# KiCad board fpga.kicad_pcb (continued)
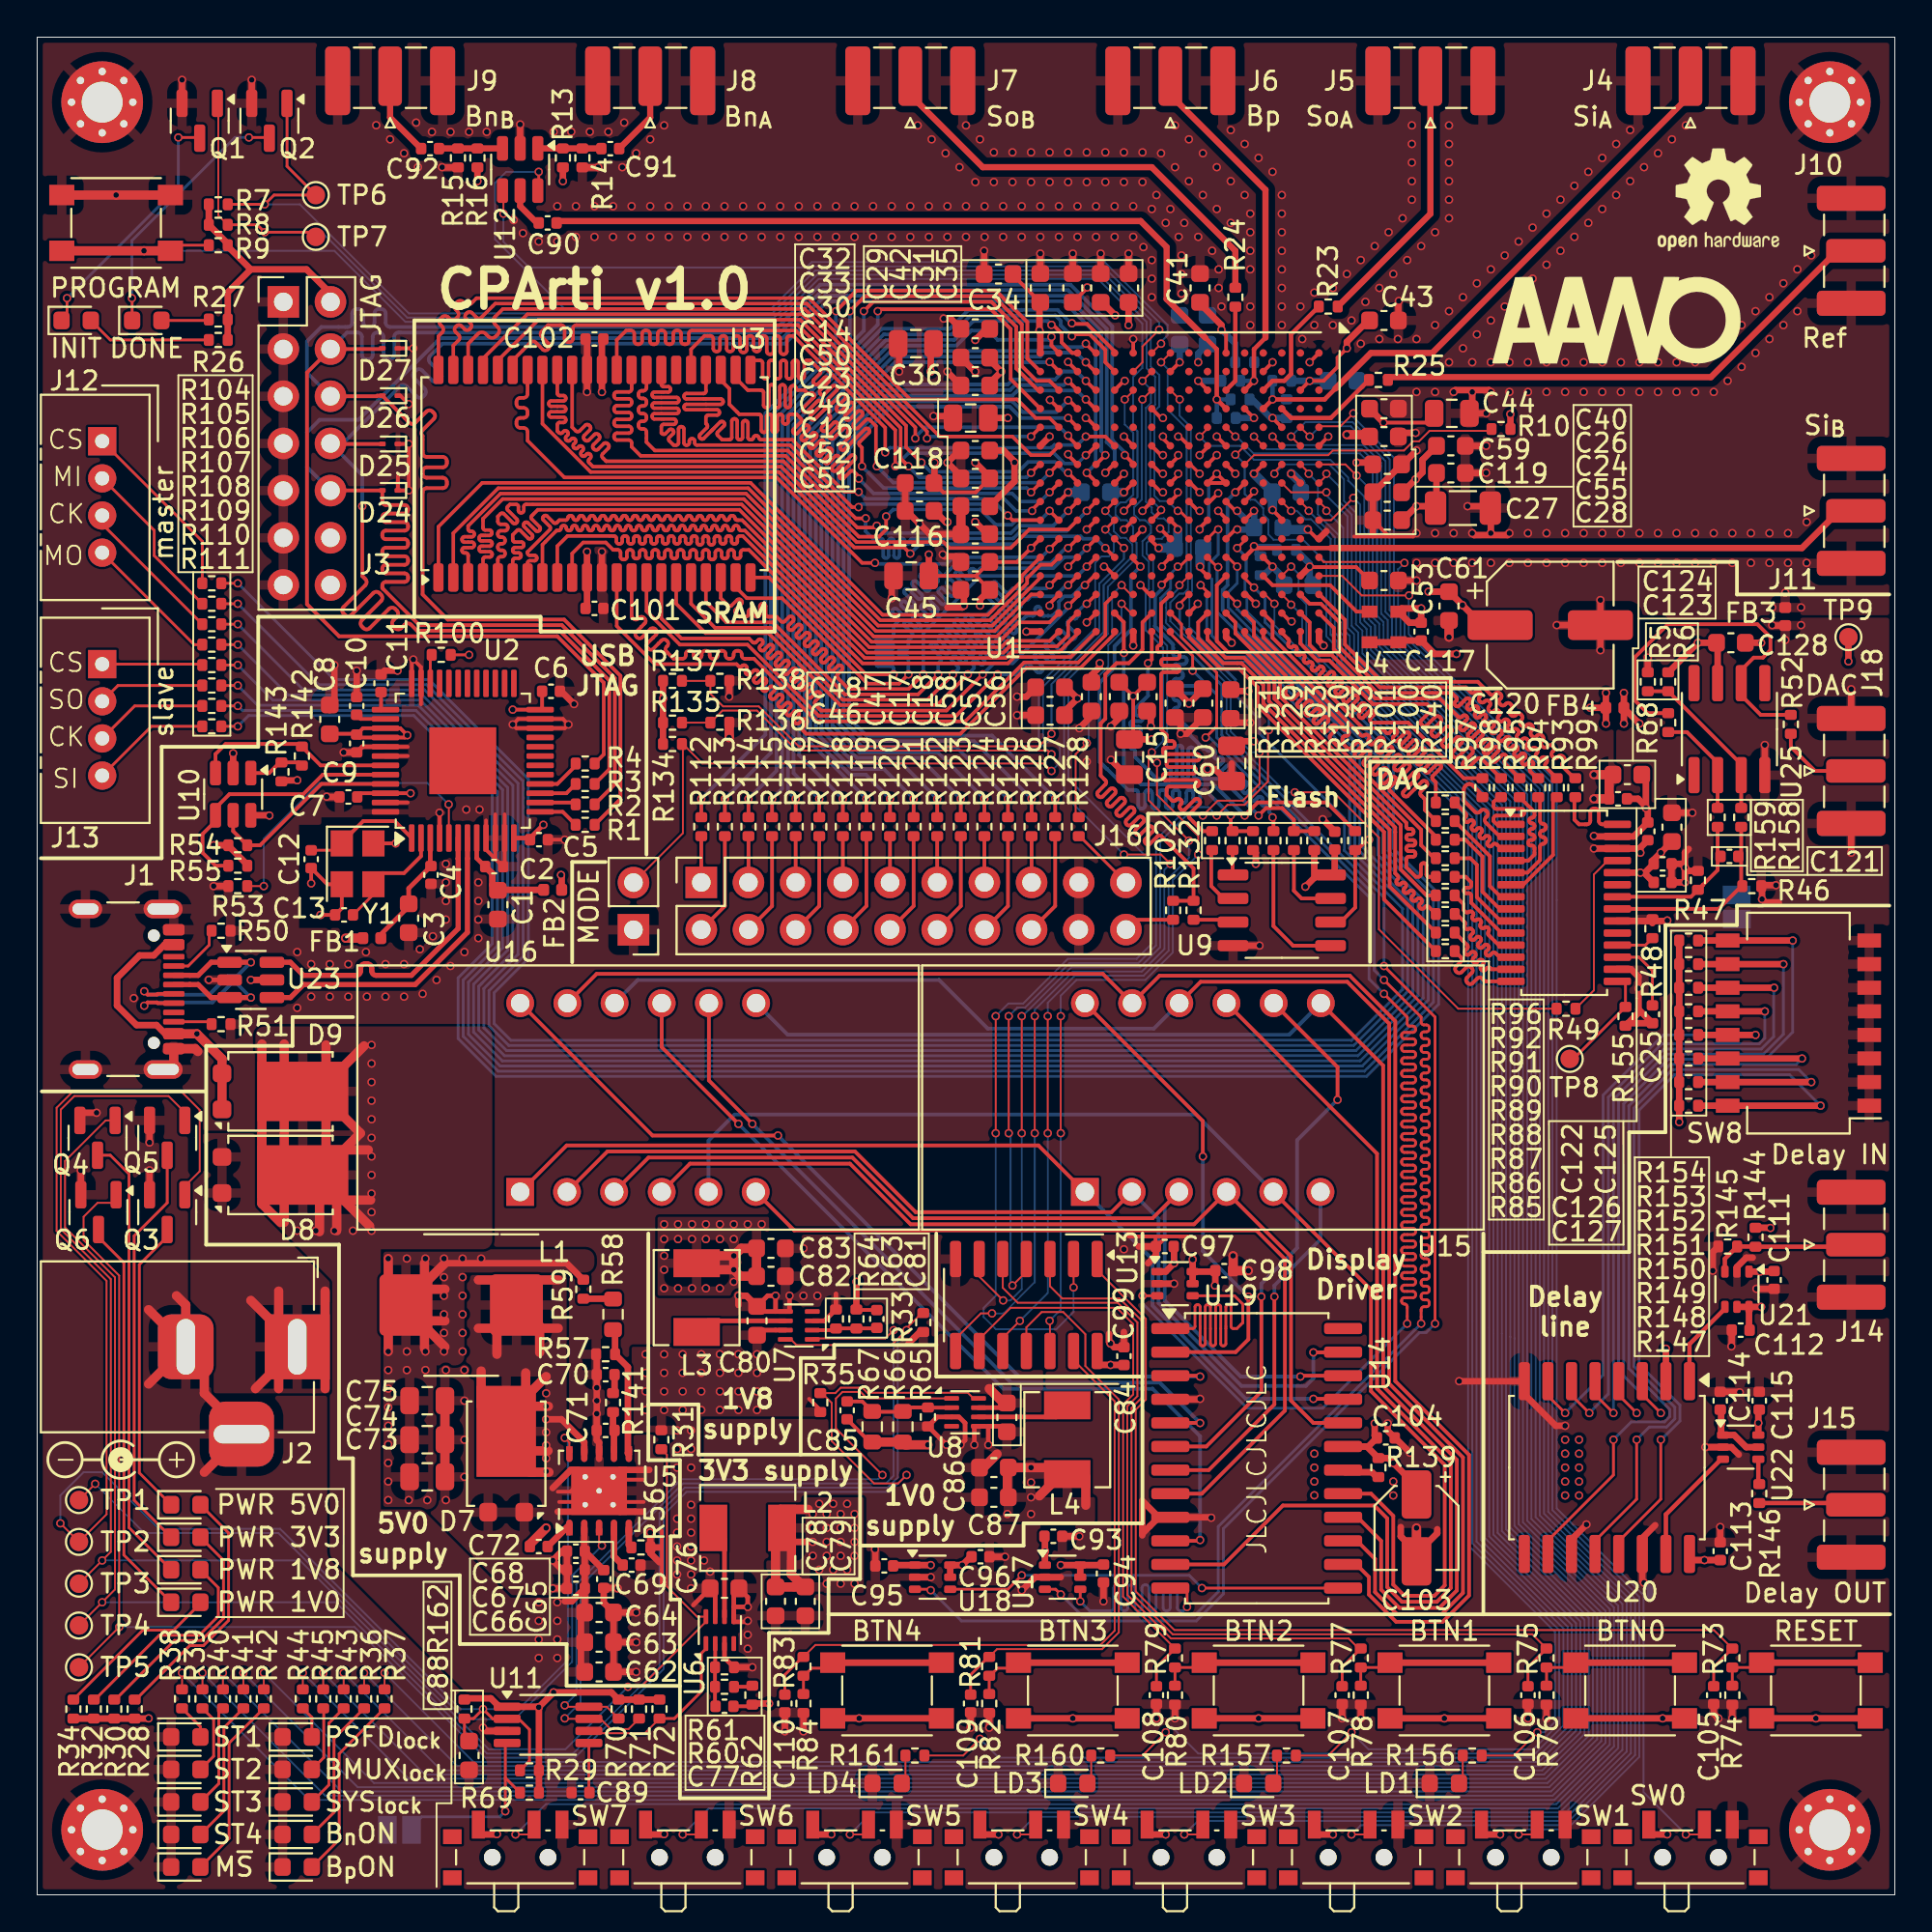
[diagram p0: board, top side]
## Nets (continued)
/FPGA banks 34-35/IO_14_R: J16.15 R126.2
/FPGA banks 34-35/IO_15: R127.1 U1.P5
/FPGA banks 34-35/IO_15_R: J16.16 R127.2
/High frequency/Bn_{A}_C_SMA: C91.2 J8.1
/High frequency/Bn_{A}_SMA: C91.1 R13.2 R14.1 U12.1
/High frequency/Bn_{B}_C_SMA: C92.2 J9.1
/High frequency/Bn_{B}_SMA: C92.1 R15.2 R16.1 U12.3
/High frequency/HF_Bn_C_SMA: C90.2 U12.5
/High frequency/HF_Bn_R_SMA: C90.1 NT1.2
/High frequency/HF_Bp_R_SMA: J6.1 NT2.2
/High frequency/HF_Ref_R_SMA: J10.1 R25.1
/High frequency/HF_Si_A_R_SMA: J4.1 NT3.2
/High frequency/HF_Si_B_R_SMA: J11.1 NT4.2
/High frequency/HF_So_A_R_SMA: J5.1 R23.1
/High frequency/HF_So_B_R_SMA: J7.1 R24.1
/LEDs/7SEG_{CLK}_5V: U14.13 U18.4
/LEDs/7SEG_{DIN}_5V: U14.1 U19.4
/LEDs/7SEG_{LOAD}_5V: U14.12 U17.4
/LEDs/DIG_0: U14.2 U15.12
/LEDs/DIG_1: U14.11 U15.9
/LEDs/DIG_2: U14.6 U15.8
/LEDs/DIG_3: U14.7 U15.6
/LEDs/DIG_4: U14.3 U16.12
/LEDs/DIG_5: U14.10 U16.9
/LEDs/DIG_6: U14.5 U16.8
/LEDs/DIG_7: U14.8 U16.6
/LEDs/SEG_A: U14.14 U15.11 U16.11
/LEDs/SEG_B: U14.16 U15.7 U16.7
/LEDs/SEG_C: U14.20 U15.4 U16.4
/LEDs/SEG_D: U14.23 U15.2 U16.2
/LEDs/SEG_DP: U14.22 U15.3 U16.3
/LEDs/SEG_E: U14.21 U15.1 U16.1
/LEDs/SEG_F: U14.15 U15.10 U16.10
/LEDs/SEG_G: U14.17 U15.5 U16.5
/Power/PG_1V0: Q6.1 R35.2 TP5.1 U8.8
/Power/PG_1V8: Q4.1 R33.2 TP4.1 U7.8
/Power/PG_3V3: Q5.1 R31.2 TP3.1 U6.8
/Power/PG_5V0: C88.2 Q3.1 R29.2 R162.1 TP2.1 U5.10 U11.2
/Power/SW_5V: C72.1 D7.3 L1.1 U5.9
/Programmable delay/DelayIN_50Ohm: J14.1 R144.2 R145.1 U21.3
/Programmable delay/DelayIN_{5V}_50Ohm: U20.1 U21.4
/Programmable delay/DelayOUT_50Ohm: J15.1 R146.1
/Programmable delay/DelayOUT_R_50Ohm: R146.2 U22.4
/Programmable delay/DelayOUT_{5V}_50Ohm: U20.15 U22.3
/Programmable delay/P0: R154.1 SW8.9 U20.3
/Programmable delay/P1: R153.1 SW8.10 U20.4
/Programmable delay/P2: R152.1 SW8.11 U20.5
/Programmable delay/P3: R151.1 SW8.12 U20.6
/Programmable delay/P4: R150.1 SW8.13 U20.7
/Programmable delay/P5: R149.1 SW8.14 U20.10
/Programmable delay/P6: R148.1 SW8.15 U20.12
/Programmable delay/P7: R147.1 SW8.16 U20.13
/USB/EECLK: R55.2 U2.44 U10.4
/USB/EECS: R54.2 U2.45 U10.5
/USB/EEDATA: R142.2 U2.43 U10.3
/USB/JTAG_R_TCK: R1.1 U2.13
/USB/JTAG_R_TDI: R2.1 U2.14
/USB/JTAG_R_TDO: R3.1 U2.15
/USB/JTAG_R_TMS: R4.1 U2.16
/USB/USB_D+: J1.A6 J1.B6 U23.3
/USB/USB_D-: J1.A7 J1.B7 U23.1
/USB/USB_D_N: U2.6 U23.6
/USB/USB_D_P: U2.7 U23.4
B_{n}ON: R36.1 U1.B9
B_{p}ON: R37.1 U1.C9
BMUX_{lock}: R45.1 U1.A9
BTN0: U1.J3 U13.4
BTN1: U1.J1 U13.6
BTN2: U1.L3 U13.8
BTN3: U1.K3 U13.10
BTN4: U1.K2 U13.12
BTN_RST: U1.L14 U13.2
DAC_CLK: R99.1 U1.A14
DAC_D0: R85.1 U1.H16
DAC_D1: R86.1 U1.G15
DAC_D2: R87.1 U1.G16
DAC_D3: R88.1 U1.F13
DAC_D4: R89.1 U1.F15
DAC_D5: R90.1 U1.E16
DAC_D6: R91.1 U1.E15
DAC_D7: R92.1 U1.D16
DAC_D8: R93.1 U1.B14
DAC_D9: R94.1 U1.A15
DAC_D10: R95.1 U1.B15
DAC_D11: R96.1 U1.D15
DAC_D12: R97.1 U1.C16
DAC_D13: R98.1 U1.B16
DAC_MODE: R49.1 U1.H13
FPGA_CFG_CS: R103.1 R129.1 U1.L12
FPGA_CFG_D0: R130.1 U1.J13
FPGA_CFG_D1: R131.1 U1.J14
FPGA_CFG_D2: R102.1 R132.1 U1.K15
FPGA_CFG_D3: R101.1 R133.1 U1.K16
FPGA_CFG_SCK: R140.1 U1.E8 U9.6
GCLK_24MHz: U1.D13 U4.3
HF_Bn_50Ohm: NT1.1 R11.2 R12.1 U1.F4
HF_Bn_ctrl_V1: U1.K1 U12.4
HF_Bn_ctrl_V2: U1.L2 U12.6
HF_Bp_50Ohm: NT2.1 R17.2 R18.1 U1.E3
HF_Ref_50Ohm: R25.2 U1.C4
HF_Si_A_50Ohm: NT3.1 R19.2 R20.1 U1.D4
HF_Si_B_50Ohm: NT4.1 R21.2 R22.1 U1.E12
HF_So_A_50Ohm: R23.2 U1.D3
HF_So_B_50Ohm: R24.2 U1.F3
JTAG_TCK: D26.2 J3.6 R1.2 U1.L7
JTAG_TDI: D24.2 J3.10 R2.2 U1.N7
JTAG_TDO: D25.2 J3.8 R3.2 U1.N8
JTAG_TMS: D27.2 J3.4 R4.2 U1.M7
LED1: R156.1 U1.D14
LED2: R157.1 U1.C14
LED3: R160.1 U1.C13
LED4: R161.1 U1.E6
M~{S}: R42.1 U1.A8
PSFD_{lock}: R44.1 U1.C8
SPIm_MISO: R105.1 U1.G14
SPIm_MOSI: R107.1 U1.G12
SPIm_SCK: R106.1 U1.G11
SPIm_~{CS}: R104.1 U1.H14
SPIs_MISO: R109.1 U1.F14
SPIs_MOSI: R111.1 U1.E13
SPIs_SCK: R110.1 U1.E11
SPIs_~{CS}: R108.1 U1.F12
SRAM_A0: U1.T12 U3.1
SRAM_A1: U1.R12 U3.2
SRAM_A2: U1.T13 U3.3
SRAM_A3: U1.T14 U3.4
SRAM_A4: U1.T15 U3.5
SRAM_A5: U1.P13 U3.18
SRAM_A6: U1.R13 U3.19
SRAM_A7: U1.N12 U3.20
SRAM_A8: U1.N11 U3.21
SRAM_A9: U1.P11 U3.22
SRAM_A10: U1.R7 U3.23
SRAM_A11: U1.T8 U3.24
SRAM_A12: U1.R8 U3.25
SRAM_A13: U1.T9 U3.26
SRAM_A14: U1.M6 U3.27
SRAM_A15: U1.T5 U3.42
SRAM_A16: U1.R6 U3.43
SRAM_A17: U1.R5 U3.44
SRAM_CE: U1.R15 U3.6
SRAM_D0: U1.R16 U3.7
SRAM_D1: U1.P15 U3.8
SRAM_D2: U1.P16 U3.9
SRAM_D3: U1.N16 U3.10
SRAM_D4: U1.M16 U3.13
SRAM_D5: U1.M14 U3.14
SRAM_D6: U1.N14 U3.15
SRAM_D7: U1.P14 U3.16
SRAM_D8: U1.T10 U3.29
SRAM_D9: U1.N9 U3.30
SRAM_D10: U1.P9 U3.31
SRAM_D11: U1.N6 U3.32
SRAM_D12: U1.R10 U3.35
SRAM_D13: U1.P10 U3.36
SRAM_D14: U1.M12 U3.37
SRAM_D15: U1.R11 U3.38
SRAM_LB: U1.T7 U3.39
SRAM_OE: U1.P6 U3.41
SRAM_UB: U1.P8 U3.40
SRAM_WE: U1.N13 U3.17
Stage1: R38.1 U1.A7
Stage2: R39.1 U1.G5
Stage3: R40.1 U1.A10
Stage4: R41.1 U1.C7
SW0: SW0.2 U1.A13
SW1: SW1.2 U1.A12
SW2: SW2.2 U1.A5
SW3: SW3.2 U1.B6
SW4: SW4.2 U1.B5
SW5: SW5.2 U1.C6
SW6: SW6.2 U1.D6
SW7: SW7.2 U1.F5
SYS_{lock}: R43.1 U1.B7
VDC: D8.1 D8.2 J2.1
Net-(BTN0-Pad2): BTN0.2 R75.1 R76.1
Net-(BTN1-Pad2): BTN1.2 R77.1 R78.1
Net-(BTN2-Pad2): BTN2.2 R79.1 R80.1
Net-(BTN3-Pad2): BTN3.2 R81.1 R82.1
Net-(BTN4-Pad2): BTN4.2 R83.1 R84.1
Net-(BTN6-Pad2): BTN6.2 R73.1 R74.1
Net-(C70-Pad2): C70.2 R141.2
Net-(C105-Pad2): C105.2 R73.2 U13.1
Net-(C106-Pad2): C106.2 R75.2 U13.3
Net-(C107-Pad2): C107.2 R77.2 U13.5
Net-(C108-Pad2): C108.2 R79.2 U13.9
Net-(C109-Pad2): C109.2 R81.2 U13.11
Net-(C110-Pad2): C110.2 R83.2 U13.13
Net-(D1-A): D1.2 R26.1
Net-(D1-K): D1.1 Q1.3
Net-(D2-A): D2.2 R27.1
Net-(D2-K): D2.1 Q2.3
Net-(D3-A): D3.2 R28.1
Net-(D3-K): D3.1 Q3.3
Net-(D4-A): D4.2 R30.1
Net-(D4-K): D4.1 Q5.3
Net-(D5-A): D5.2 R32.1
Net-(D5-K): D5.1 Q4.3
Net-(D6-A): D6.2 R34.1
Net-(D6-K): D6.1 Q6.3
Net-(D10-A): D10.2 R36.2
Net-(D11-A): D11.2 R37.2
Net-(D12-A): D12.2 R38.2
Net-(D13-A): D13.2 R39.2
Net-(D14-A): D14.2 R40.2
Net-(D15-A): D15.2 R41.2
Net-(D16-A): D16.2 R42.2
Net-(D17-A): D17.2 R43.2
Net-(D18-A): D18.2 R44.2
Net-(D19-A): D19.2 R45.2
Net-(D20-A): D20.2 R156.2
Net-(D21-A): D21.2 R157.2
Net-(D22-A): D22.2 R160.2
Net-(D23-A): D23.2 R161.2
Net-(J1-CC1): J1.A5 R50.1
Net-(J1-CC2): J1.B5 R51.1
Net-(JP2-B): JP2.2 R69.1 U11.4
Net-(R58-Pad1): R58.1 R59.1
Net-(R61-Pad2): R61.2 R62.1
Net-(U1A-IO_L3P_T0_DQS_PUDC_B_14): R128.2 U1.L15
Net-(U2-REF): R53.2 U2.5
Net-(U2-VCCA): C11.2 U2.37
Net-(U2-VCCCORE): C10.2 U2.38
Net-(U2-VPHY): C3.2 C4.2 FB1.2 U2.3
Net-(U2-VPLL): C1.2 C2.2 FB2.2 U2.8
Net-(U2-XCSI): C12.2 U2.1 Y1.1
Net-(U2-XCSO): C13.2 U2.2 Y1.3
Net-(U2-~{RESET}): R100.1 U2.34
Net-(U5-BOOT): C72.2 U5.1
Net-(U5-COMP): C71.2 R141.1 U5.7
Net-(U5-EN): TP1.1 U5.3
Net-(U5-FB): R57.1 R58.2 U5.6
Net-(U5-RT/CLK): R56.1 U5.5
Net-(U5-SS/TR): C69.2 U5.4
Net-(U6-FB): C77.1 R60.2 R61.1 U6.2
Net-(U6-SW): L2.1 U6.6
Net-(U7-FB): C81.1 R63.1 R64.2 U7.2
Net-(U7-SW): L3.1 U7.6
Net-(U8-FB): C85.1 R65.2 R66.1 R67.1 U8.2
Net-(U8-SW): L4.1 U8.6
Net-(U9-SI/SIO0): R130.2 U9.5
Net-(U9-SO/SIO1): R131.2 U9.2
Net-(U9-~{CS}): R129.2 U9.1
Net-(U9-~{HOLD}/SIO3): R133.2 U9.7
Net-(U9-~{WP}/SIO2): R132.2 U9.3
Net-(U10-DO): R142.1 R143.2 U10.1
Net-(U11-TADJ): C89.2 U11.5
Net-(U14-ISET): R139.2 U14.18
Net-(U24-FS_ADJ): R48.2 U24.18
Net-(U24-REFIO): C25.1 U24.17

Pads without a net: J1 A8 B8; J3 12 14; U1 A2 A3 A4 B1 B2 B4 B10 B11 B12 C1 C2 C3 C11 C12 D1 D5 D8 D9 D10 D11 E1 E2 E5 F2 G1 G2 G4 H1 H2 H3 H4 H5 H11 J4 J5 K5 K12 K13 L4 L5 L13 M4 M5; U2 17 18 19 20 21 25 26 27 28 29 30 31 32 33 49; U3 28; U6 4; U7 4; U8 4; U14 24; U20 9; U24 19 23; U25 1 5 8

## Via types
v1: diameter 0.45, hole 0.3, Top to Bottom, 1149 vias

## Routing (per net, layer and track width the routed paths; a pad name or vN(x,y) marks a point on that pad's centre or on a via; arc(x,y) is an arc through that point)
+1V0: length 90.9
  Top w0.2: U1.L8 v1(58.5,75.5) ; U1.K9 v1(59.5,74.5) ; R67.2 44.82,24.38 C85.2 ; v1(60.6,78.5) 60.6,78.4 U1.J6 ; v1(64.6,73.5) 64.5,73.5 U1.F11 ; v1(62.57,74.5) 62.5,74.5 U1.H9 ; 46.85,24.22 46.5,24.58 ; U1.G6 63,77.92 v1(62.57,77.5) ; 51.28,76.27 C23.2 50.53,75.5 48.78,75.5 C118.2 48.18,75.9 ; U1.E10 v1(65.5,74.5) ; v1(64.6,74.5) 64.5,74.5 U1.F9 ; U1.F7 v1(64.5,76.5)
  Top w0.35: C120.1 77.8,68.35 v1(76.72,69.42) C61.2 v1(74.9,70.15) ; C28.2 73.5,74 v1(74.25,74.75) 75.27,74.75 ; v1(71.03,77.1) 71.8,77.1 C24.2 ; v1(50.5,77.1) 51.28,76.33 C23.2 ; 75.18,74.2 75,74.38 75,74.75 75.25,74.75 ; C119.2 75.32,74.7 C27.2 ; C118.2 48.3,76.03 v1(48.3,77.1)
  Top w0.5: 55.45,22.62 55.1,22.62 53.95,21.47 ; 55.45,22.62 56.3,22.62 56.45,22.47 56.45,20.97 ; 55.45,22.62 55.1,22.98 54.45,22.97 ; R67.2 R66.2 46.75,24.22 v1(47.95,24.22) ; C86.2 v1(53.5,23) 55.1,23 L4.2 ; 52.22,21.38 52.22,22.97 ; 79.15,68.4 78.3,68.4
  In2(VCC).Cu w0.15: v1(65.5,74.5) 66,74 70.6,74 70.83,73.77 73.27,73.77 v1(74.25,74.75)
  In2(VCC).Cu w0.2: v1(60.6,78.5) 60.65,78.5 61.1,78.95 61.1,79.71 61,79.82 ; v1(62.5,82.5) 61,81 61,79.82 ; 61,79.82 62,78.81 62,78.08 v1(62.57,77.5) ; v1(71.03,77.1) 70.93,77 66.39,77 66,76.62 66,75.34 65.67,75.01 65.11,75.01 v1(64.6,74.5) v1(64.6,73.5) 64.55,73.55 ; v1(50.5,77.1) 51.57,76.03 57.97,76.03 v1(58.5,75.5) v1(59.5,74.5)
  In2(VCC).Cu w0.35: v1(76.72,69.42) 76.7,69.4 76.2,69.4
  In2(VCC).Cu w0.5: v1(53.5,20.5) v1(53.5,23) 49.18,23 v1(47.95,24.22)
  Bottom w0.15: C21.2 65.5,73.7
  Bottom w0.35: C20.2 62.5,82.97 v1(62.5,82.5) ; 65.4,73.6 65.5,73.7 v1(65.5,74.5) ; 65.4,73.6 65.3,73.5 ; 65.4,73.6 65.4,73.7 v1(64.6,74.5) ; v1(64.6,73.5) 65.4,73.5 C21.2
  Bottom w0.5: C22.2 v1(58.5,75.5)
  vias: v1(52.22,20.5) v1(53.5,22.2) v1(53.5,21.4)
+1V8: length 71.8
  Top w0.2: U1.F8 v1(63.5,76.5) U1.G8 ; U1.F8 64,76 ; U1.F8 U1.G8 ; 59.82,65.28 C18.2 ; C18.2 59.9,65.42 ; C18.2 v1(59,64.53) ; 45.2,31.48 44.13,31.48 44.1,31.51 ; 50.4,74 v1(50.5,73.9) ; U1.G8 63,76 ; U1.J10 61.4,73.6 v1(61.4,73.5) ; v1(60.38,72.5) 60,72.88 U1.K11 ; U1.G10 62.57,73.58 v1(62.57,73.5) ; U1.L10 v1(58.5,73.5) ; v1(59,64.53) C17.2 ; v1(59,64.53) 59,62
  Top w0.25: U1.F8 63.97,75.97 ; 63.03,75.97 U1.G8
  Top w0.35: C18.2 59.75,65.25 ; 59.82,65.2 60,65.38 ; C116.2 48.3,74.5 48.9,73.9 v1(49,73.9) ; C15.2 v1(60,62.2) ; v1(50.5,73.9) 51.15,73.25 C16.2 51.53,73 ; 58.8,62 59,62.2 ; R63.2 44.1,32.9
  Top w0.5: v1(37.5,34.4) 37.9,34.8 38.73,34.8 38.73,33.3 37.85,33.3 v1(37.5,33.65) ; v1(37.5,34.4) v1(37.5,33.65) ; v1(37.5,34.4) 35.9,34.4 L3.2 35.85,33.65 v1(37.5,33.65) ; v1(70.5,78.6) 71.62,78.6 C26.1
  In2(VCC).Cu w0.17: v1(58.5,73.5) 58.01,73.01 51.39,73.01 v1(50.5,73.9)
  In2(VCC).Cu w0.2: v1(61.4,73.5) 61.45,73.45 61.5,73.45 ; v1(59,64.53) 59,66.24 59.5,66.75 59.5,68.7 58.88,69.32 58.88,71.7 59.68,72.5 v1(60.38,72.5) ; v1(70.5,78.6) 69.8,77.9 66.05,77.9 65.15,77 64,77 v1(63.5,76.5)
  In2(VCC).Cu w0.5: v1(36.75,32.65) 37.1,33 v1(37.5,33) v1(44.1,33) ; v1(36.75,32.65) 36.88,32.78 ; v1(36.75,32.65) 37.5,33.4 v1(37.5,34.4) ; v1(36.75,32.65) v1(33.75,32.65)
  Bottom w0.17: v1(63.5,76.5) 63.06,76.06 63.06,73.99 v1(62.57,73.5)
  Bottom w0.5: C19.2 v1(60.38,72.5) ; C19.2 61.4,72.67 v1(61.4,73.5) ; C19.2 61.3,72.5 61.4,72.6
  vias: v1(33.75,36.1) v1(33.75,35.3) v1(33.75,34.4) v1(33.75,33.65) v1(34.5,36.1) v1(34.5,35.3) v1(34.5,32.65) v1(35.25,36.1) v1(35.25,35.3) v1(35.25,32.65) v1(36,36.1) v1(36,35.3) v1(36,32.65) v1(36.75,36.1) v1(36.75,35.3) v1(37.5,36.1) v1(37.5,35.3) v1(38.25,36.1) v1(39,36.1)
+3.3VA: length 14.7
  Top w0.35: v1(85.41,64.7) 85.41,64.7 FB4.2 ; U25.7 90.46,67.33 90.53,67.4 v1(89.4,67.4) 87.81,65.81 R6.1 ; v1(86.3,55.03) 86.32,55 ; v1(86.3,55.03) 86.54,55.03 C126.1 87.02,55.72 v1(87.4,56.1) C125.2 88.2,56.7 ; v1(86.3,55.03) 86.5,55.03 C127.1 ; v1(86.3,55.03) U24.24 ; v1(86.25,63.05) 85.41,63.89 FB4.2 ; FB4.2 v1(85.41,63.05) ; TP9.1 v1(97.5,66.4)
+3V3: length 345.4
  Top w0.15: R128.1 56.12,56.99 J16.19 ; R100.2 v1(23.25,66.75)
  Top w0.2: U1.R4 54.99,80 v1(54.52,80.47) ; C42.2 56.5,86.47 ; 51.5,82.75 C33.2 51.28,82.72 ; U1.D7 v1(65.5,76.5) ; v1(63.75,84.25) 64,84 U1.F1 ; C7.2 17.43,59.3 U2.46 v1(20.1,59.3) ; v1(72.47,79.25) 75.15,79.25 75.2,79.3 ; C6.2 27.18,63.91 U2.24 v1(25.6,63.8) ; R62.2 38.41,10.15 C77.2 ; U1.M3 58.5,81.5 v1(58.54,81.5) ; U1.J2 v1(61.5,82.5) ; v1(62.47,69.5) 62.47,69.48 U1.H15 ; C9.2 17.16,62.5 C8.2 ; C9.2 17.36,62.3 U2.40 19.8,62.3 v1(19.92,62.42) 19.55,62.8 U2.39 17.54,62.8 C9.2 ; U1.E14 65.1,70 v1(65.6,69.5) ; v1(68.5,71.5) 68.53,71.47 71,71.47 C53.2 ; J16.20 59.14,52.49 R102.2 ; U1.M13 57.5,71.5 v1(57.43,71.5) ; U1.J12 60.55,71.55 v1(60.55,71.5) ; v1(69.5,78.5) U1.A6 ; U1.L6 v1(58.5,78.5) 58.4,78.5 ; 50.53,71 C51.2 ; 50.53,71 C45.2 48,71.2 ; 50.53,71 C52.2 52.75,71.75 v1(53.5,72.5) U1.T11 ; C29.2 52.53,87.2 C34.2 ; U1.C10 67,74.05 v1(66.5,74.55) ; U1.P7 55.5,77.5 ; 70.51,83.26 v1(70.5,83.25) 70,82.75 70,82.25 69.25,81.5 v1(68.5,81.5) U1.B3 ; v1(54.5,69.4) 54.5,69.5 U1.R14 ; U1.E4 v1(65.5,79.5) ; 70.25,55 70.23,55.02 ; U1.N10 v1(56.5,73.5) ; 62.5,65.15 62.75,64.9
  Top w0.25: v1(27.25,57.6) 26.53,56.88 C5.2 26.44,56.89 U2.12
  Top w0.35: v1(65.2,64.8) 64.32,64.8 C56.2 ; C49.2 52.61,76.09 v1(52.61,77.11) 52.61,77.16 52.02,77.75 C50.2 ; U13.14 57.06,28.54 ; 57.06,28.54 57.07,28.53 v1(57.78,28.53) 58.5,28.53 C99.2 ; 57.06,28.54 57.1,28.5 ; v1(62,64.12) 62.75,64.88 62.75,64.9 ; U22.6 v1(92.65,25.4) 92.65,26.07 C115.2 ; v1(69.25,67.25) 69,67.5 U1.A16 ; v1(9.5,56.5) R54.1 10.29,56.48 11.31,55.46 R55.1 ; SW6.1 32.75,3.25 33.73,3.25 v1(33.75,3.27) ; U10.6 12.49,58.11 v1(12.5,58.1) ; 11.5,87.5 10.26,86.26 R27.2 R26.2 ; 11.5,87.5 14.5,87.5 15.79,86.21 J3.2 ; 11.5,87.5 10.26,88.74 R9.2 10.26,88.88 R8.2 R7.2 ; C47.2 56.75,65.65 57.2,66.1 v1(57.2,66.3) ; R103.2 65.6,56.09 v1(65.6,55.5) ; R62.2 38.56,10.3 v1(39.4,10.3) ; v1(28.2,54.9) 28.24,54.86 FB2.1 ; BTN3.1 v1(55.75,9.5) BTN3.1 ; R137.1 33.69,64.41 v1(33.7,64.4) 33.69,64.39 R135.1 R134.2 ; v1(93.3,35.9) 93.29,35.91 R144.1 ; C95.2 46.12,17.75 U18.1 v1(48.1,17.75) ; C30.2 51.28,81.38 v1(51.9,82) 51.28,82.62 C33.2 51.25,82.75 ; v1(63.75,84.25) 63.75,84.5 62.6,85.65 C41.2 ; 68.75,54.75 68.9,54.91 U9.8 ; 68.75,54.75 R101.2 ; 68.75,54.75 v1(68.27,54.27) ; FB4.1 84.44,64.69 v1(84.45,64.7) ; FB4.1 84.44,63.11 84.45,63.1 ; FB4.1 v1(83.6,63.9) ; v1(69.75,3.25) 68.75,3.25 SW2.1 ; U21.1 v1(92.75,33.55) 93.47,33.55 C111.2 ; C97.2 61.2,34.88 v1(61.2,34) 60.75,33.55 U19.1 ; v1(24.75,3.27) 24.73,3.25 23.75,3.25 SW7.1 ; v1(42.75,3.26) 42.74,3.25 41.75,3.25 SW5.1 ; R34.2 R32.2 R30.2 R28.2 5.99,9.49 v1(6,9.5) ; v1(65.5,62.1) 64.55,62.1 C60.2 63.75,61.85 ; C36.2 48.1,83.35 v1(48.1,82) ; C55.2 73.5,75.5 v1(74.2,76.2) 74.57,76.57 74.57,77.25 C59.2 ; BTN4.1 v1(44.25,9.5) BTN4.1 ; C43.2 71.65,84.75 70.5,83.6 v1(70.5,83.25) ; C31.2 57.33,85.72 v1(58.03,85.03) ; SW3.1 59.75,3.25 v1(60.75,3.25) ; BTN0.1 v1(87.5,9.5) BTN0.1 ; 48,71.2 v1(48,72.15) ; U1.T1 54,84.17 v1(53.95,84.21) 53.95,85.68 C29.2 54.03,85.7 ; R13.1 v1(28.3,92.25) ; v1(29.6,72.3) U3.11 29.6,69.33 C101.2 ; v1(87.75,3.26) 87.74,3.25 86.75,3.25 SW0.1 ; C35.2 58.78,85.72 ; C35.2 58.75,85.75 ; C35.2 v1(58.75,84.5) ; R10.2 79.31,79.7 ; C123.1 86.18,59 86.6,58.58 86.6,60.08 C124.2 ; U9.8 69.85,55.13 C100.2 ; U9.8 69.1,54.91 ; 41.5,19 40.85,19 ; v1(52.25,79.5) C14.1 ; SW1.1 77.75,3.25 v1(78.75,3.25) ; 61.97,64.18 61.25,64.9 61.25,64.88 ; 13.15,59.99 13.99,59.99 v1(14,60) ; BTN2.1 v1(65.75,9.5) BTN2.1 ; v1(59,67.25) U1.L16 ; C102.2 30.4,83.67 U3.33 v1(30.4,80.9) ; R15.1 v1(23.7,92.25) ; v1(86.6,58.5) 86.7,58.4 C122.1 85.94,56.97 U24.27 83.82,56.97 v1(83.8,57) ; C48.2 55.4,65 v1(56,64.4) 55.3,63.7 C46.2 ; U1.B13 v1(68.5,71.5) ; C32.2 51.1,84.3 v1(50.5,83.7) ; BTN6.1 v1(95.75,9.5) BTN6.1 ; BTN1.1 v1(75.75,9.5) BTN1.1 ; U17.1 v1(54.25,18.5) 54.25,19.27 C93.2 ; v1(50.76,69.4) 50.76,69.73 C51.2 ; C40.2 v1(72.47,79.25) ; v1(51.75,3.25) 50.75,3.25 SW4.1 ; U4.4 U4.1 73.37,67.52 C117.2 75.22,66.8 v1(76.4,66.8)
  Top w0.5: 41.5,20.75 40,20.75 40.1,20.65 L2.2 ; FB1.1 v1(16.6,51.5) ; L2.2 40.6,19.25 40.6,17.25 41.28,16.57 41.35,16.57 39.75,16.57 39.75,19.4 L2.2
  In2(VCC).Cu w0.17: v1(74.2,76.2) 73.81,75.81 70.82,75.81 70.63,76 67.95,76 v1(66.5,74.55) ; 68,80 66,80 ; v1(58.5,78.5) 58.5,79.14 56.65,80.99 55.03,80.99 v1(54.52,80.47) 53.54,79.5 v1(52.25,79.5)
  In2(VCC).Cu w0.2: v1(58.54,81.5) 58.54,82.71 57.88,83.38 ; v1(58.75,84.5) 59,84.75 60.61,84.75 61,84.36 61,83 v1(61.5,82.5) ; 72.4,79.25 72.35,79.2 70.2,79.2 v1(69.5,78.5) 68,80 ; 57.88,83.38 57.88,84.88 v1(58.03,85.03) ; 57.88,83.38 56.53,84.72 v1(56.53,86.53) ; v1(56.5,73.5) 56,74 53.22,74 52.46,74.75 49.14,74.75 48,73.61 v1(48,72.15) ; 65.1,64.25 65.1,64.7 v1(65.2,64.8) ; v1(54.52,80.47) 52.99,82 v1(51.9,82) ; v1(62,64.12) 62.75,64.88 62.75,67.22 62.47,67.5 v1(62.47,69.5) 61.99,69.98 61.99,71.62 61.61,72 61.05,72 v1(60.55,71.5) ; v1(50.76,69.4) 50.86,69.51 54.39,69.51 v1(54.5,69.4) 55.1,68.8 55.1,65.3 v1(56,64.4) 56,65.1 v1(57.2,66.3) ; 66,80 v1(65.5,79.5)
  In2(VCC).Cu w0.35: v1(68.5,71.5) 68.5,68 v1(69.25,67.25) ; v1(53.95,84.21) 53.44,83.7 v1(50.5,83.7) 50.55,83.75 ; v1(59,67.25) 58.75,67.5 57.2,67.5 57.2,66.75 ; v1(57.2,66.3) 57.2,66.75 ; 57.2,66.75 57.2,71.27 v1(57.43,71.5) ; v1(52.61,77.11) 53.05,77.54 53.05,77.55 v1(55.5,77.55) ; v1(86.6,58.5) 84.7,58.5
  In2(VCC).Cu w0.5: v1(65.2,64.8) 64.65,64.25 62.12,64.25 v1(62,64.12) ; v1(65.2,64.8) 64.6,64.2 64.6,62.88 65.38,62.1 v1(65.5,62.1) ; v1(65.2,64.8) 65.6,65.2 v1(65.6,69.5) ; 86.4,56.97 86.38,57 84.7,57 ; J16.20 57.32,53.25 57.36,53.25 J16.19 57.61,55.5
  Bottom w0.35: v1(63.75,84.25) 64.49,83.51 R17.1 ; C54.2 68.5,70.67 v1(68.5,71.5) 68.5,71.66 R21.1 ; R11.1 v1(65.5,79.5) ; C38.2 v1(61.5,82.5) ; R19.1 v1(68.5,81.5) C37.2
  Bottom w0.5: C39.2 66.51,75.5 ; C39.2 66.5,75.47 v1(66.5,74.55) ; C39.2 66.47,75.53 v1(65.5,76.5)
  vias: v1(41.75,20.5) v1(41.75,19.75) v1(41.75,19) v1(41.75,18.25) v1(42.1,21.05) v1(42.1,17.5) v1(42.5,20.5) v1(42.5,19.75) v1(42.5,19) v1(42.5,18.25) v1(42.5,16.75) v1(42.85,21.05) v1(42.85,17.5) v1(43.25,20.5) v1(43.25,19.75) v1(43.25,19) v1(43.25,18.25) v1(43.25,16.75) v1(43.6,21.05) v1(43.6,17.5) v1(44,20.5) v1(44,19.75) v1(44,19) v1(44,18.25) v1(44,16.75) v1(79.3,79.7) v1(84.45,63.05)
+5V: length 91.9
  Top w0.2: 41.56,26.7 42.16,26.1 R35.1
  Top w0.25: U6.7 36.5,16.22 C76.2 35.33,15.6 ; 50.68,26.22 51.93,26.22 52.2,26.5 ; 40.3,30.4 39.03,30.4 38.75,30.13
  Top w0.35: v1(27,10.1) v1(27.8,10.9) 30.91,10.9 R70.2 R71.2 R72.2 ; v1(27,10.1) 26.97,10.12 U11.1 24.88,10.12 24.42,10.58 23.07,10.58 R162.2 ; v1(27,10.1) 27.01,10.09 R29.1 ; R154.2 R147.2 v1(88.39,41.6) ; U14.19 71.66,24.14 C104.2 72,24.72 v1(72,25.38) ; U14.19 71.57,24.14 R139.1 72.74,23.51 v1(73,23.25) 74.25,22 C103.1 74.25,22.05 ; U14.19 70.28,24.15 ; C112.2 92.15,30.43 U21.6 ; U22.5 92,24.1 91.35,24.75 U22.1 90.65,24.85 v1(90.65,25.4) 90.65,26.07 C114.2 ; U19.6 63.37,33.55 C98.2 63.42,32.82 v1(63.4,32.8) ; U19.6 U19.5 ; U19.6 v1(62.2,34.2) ; C96.2 50.25,18.2 v1(49.8,17.75) U18.6 U18.5 ; U21.5 U21.6 ; U21.6 v1(92.8,31.65) ; 21.95,34 28.5,34 29.39,33.11 R59.2 ; C94.2 57.37,17.75 U17.6 ; 88.94,18.06 89,18 ; 88.94,18.06 88.98,18.02 89.72,18.02 89.75,18.05 89.78,18.02 C113.2 ; 88.94,18.06 U20.16 ; 19.53,31.75 20.4,32.62 ; 19.53,31.75 20.38,30.9 ; 19.53,31.75 19.53,31.53 ; 19.53,31.75 19.53,32.03 ; 19.53,31.75 20.38,32.6 ; 19.53,31.75 19.53,31.97 ; 19.53,31.75 19.53,31.47 ; R33.1 47.52,30.3 46.92,29.7 ; 38.75,30.13 38.73,30.13 ; U17.5 U17.6 ; U17.6 v1(55.1,17.75) ; U20.2 v1(87.68,29.4) ; 27,6.71 R29.1 ; R29.1 R69.2
  Top w0.5: 20.82,30.9 21.95,30.9 ; v1(18.9,34.25) v1(18.9,29.25) ; 51.25,27.25 52.03,26.47 C84.2 ; 19.97,31.47 21.95,29.5 ; 20.82,32.6 21.95,32.6 ; 19.97,32.03 21.95,34 ; 20.85,34 20.85,29.4
  vias: v1(18.9,28.25) v1(18.9,27.25) v1(18.9,26.25) v1(18.9,25.25) v1(18.9,24.25) v1(18.9,23.25) v1(18.9,22.25) v1(18.9,21.25) v1(19.9,34.25) v1(19.9,29.25) v1(19.9,28.25) v1(20,21.25) v1(20.9,34.25) v1(20.9,29.25) v1(20.9,28.25) v1(21,21.25) v1(21.9,34.25) v1(21.9,33.25) v1(21.9,32.25) v1(21.9,31.25) v1(21.9,30.25) v1(21.9,29.25) v1(22.9,34.25) v1(22.9,33.25) v1(22.9,32.25) v1(22.9,31.25) v1(22.9,30.25) v1(22.9,29.25) v1(23.9,34.25) v1(32.75,29.1) v1(32.75,28.1) v1(32.75,27.1) v1(32.75,26.1) v1(33.75,29.1) v1(33.75,28.1) v1(33.75,27.1) v1(33.75,26.1) v1(34.45,25) v1(34.45,24) v1(34.45,23) v1(34.45,20.25) v1(34.45,19.5) v1(34.45,18.75) v1(34.45,18) v1(34.45,17.25) v1(34.75,29.1) v1(34.75,28.1) v1(34.75,27.1) v1(34.75,26.1) v1(35.2,25) v1(35.2,24) v1(35.2,23) v1(35.2,21) v1(35.2,20.25) v1(35.2,19.5) v1(35.2,18.75) v1(35.2,18) v1(35.2,17.25) v1(35.2,16.5) v1(35.75,29.1) v1(35.75,28.1) v1(35.75,27.1) v1(35.75,26.1) v1(35.9,18) v1(36.22,17.4) v1(36.75,29.1) v1(36.75,28.1) v1(36.75,27.1) v1(36.75,26.1) v1(37.75,29.1) v1(37.75,28.1) v1(37.75,27.1) v1(37.75,26.1) v1(38.75,29.1) v1(38.75,28.1) v1(38.75,27.1) v1(38.75,26.1) v1(68.75,23.75) v1(68.75,23) v1(68.75,22.25) v1(68.75,21.51) v1(73,22.25) v1(73,21.5) v1(82.25,24.5) v1(82.25,23.75) v1(82.25,23) v1(82.25,22.25) v1(82.25,21.5) v1(83,24.5) v1(83,23.75) v1(83,23) v1(83,22.25) v1(83,21.5) v1(89.75,18.02)
/Power/VCC_1V0_en: length 40.6
  Top w0.1: R70.1 30.67,10.12 U11.8 28.47,10.12 v1(28.4,10.2) ; v1(45.5,22.6) 43,25.1 43,26.72 43.35,27.07 44.33,27.07 44.67,26.73 U8.1
  Bottom w0.1: v1(28.4,10.2) 29.02,10.82 29.02,16.72 34.67,22.37 45.27,22.37 v1(45.5,22.6)
/Power/VCC_1V8_en: length 43.7
  Top w0.1: v1(28.4,9.5) 28.43,9.47 U11.7 30.32,9.47 30.87,8.93 31.84,8.93 R71.1 ; U7.1 41.78,29.95 45.65,29.95 v1(46.1,30.4)
  Bottom w0.1: v1(28.4,9.5) 29.25,10.35 29.25,16.63 34.77,22.15 45.69,22.15 46.1,22.56 v1(46.1,30.4)
/Power/VCC_3V3_en: length 9.7
  Top w0.1: R72.1 32.71,8.7 29.82,8.7 29.7,8.82
  Top w0.15: U6.1 36,13.25 35.75,13 35.75,10.94 34.3,9.49 R72.1
GND: length 359.6
  Top w0.15: U1.P12 v1(55.5,71.5)
  Top w0.17: v1(62.57,76.5) 62.07,77 U1.H7
  Top w0.2: 60.8,35.44 62.1,35.44 ; 60.8,35.44 60.26,34.9 C97.1 60.2,34.92 60.2,35.44 ; 60.8,35.44 60.2,35.44 ; U5.11 28.7,21.7 28.03,21.7 ; U1.J7 61.43,77.42 v1(61.43,77.5) ; 70.9,73.12 74.07,73.12 v1(74.25,73.3) ; U1.J8 61.43,76.42 v1(61.43,76.5) ; 20.66,64.09 U2.35 20.66,66.09 v1(20.25,66.5) 20.16,66.41 U2.36 ; U1.H8 62.07,76 v1(62.57,75.5) ; v1(15.25,52.75) C13.1 16.4,53.11 Y1.2 15.62,54.4 C12.1 v1(14.75,54.45) ; U1.E9 65.5,75.5 v1(65.5,75.55) ; v1(60.45,73.55) U1.J11 ; U1.G9 63.12,75 v1(63.57,75.45) ; U1.K14 59.89,70 v1(59.39,70.5) ; U1.J9 61.4,75.4 v1(61.4,75.5) ; U1.C5 v1(66.5,79.5) ; 25.16,58.16 U2.11 25.16,55.43 C2.1 24.66,55.77 ; v1(66.5,71.5) U1.D12 ; D25.1 v1(20,78.1) v1(20,75.6) D24.1 19.42,76.38 ; U1.C15 67.45,68.55 v1(67.53,68.55) ; v1(20,80.25) 19.55,80.7 D26.1 ; U1.K7 60.5,76.5 v1(60.6,76.5) ; 33.62,16.72 33.62,19.6 ; C5.1 v1(28.4,56.8) ; v1(63.57,74.5) 64,74.08 U1.F10 ; U2.42 19.95,61.3 ; U1.N5 56.5,79.5 v1(56.45,79.5) ; U1.G7 v1(63.5,77.5) ; Y1.4 v1(19.3,56.6) ; v1(62.6,71.5) 62.6,71.4 U1.G13 ; v1(60.6,79.5) 60.5,79.5 U1.K4 ; U1.P2 55.5,82.5 v1(55.5,82.52) ; v1(60.6,75.5) 60.5,75.5 U1.K8 ; U2.47 19.95,58.8 ; 24.16,57.84 U2.9 24.16,56.27 24.66,55.77 ; U1.K6 60.5,77.5 v1(60.6,77.5) ; v1(56.5,68.5) U1.N15 ; 24.66,58.16 U2.10 24.66,55.77 ; U1.B8 v1(67.5,76.5) ; 72.78,73.12 C28.1 ; 29.35,21.15 28.1,21.15 ; 68.98,73 U1.A11 68.9,73 v1(68.4,73.5) ; 60.2,35.44 58.74,35.44 ; 32.65,21.15 31.15,21.15 U5.11 ; U1.F6 v1(63.5,78.5) ; v1(62.5,81.5) U1.G3 ; U1.H6 61.5,78.5 v1(61.43,78.5) ; U5.11 31.15,22.35 32.65,22.35 ; v1(21.66,58.25) 21.66,58.25 U2.4 ; U1.D2 v1(66.5,82.5) ; U1.R9 v1(55.5,75.5) ; U2.41 19.95,61.8 ; U1.M8 v1(58.5,76.5) ; U1.L11 v1(59.5,73.5) ; v1(59,83.75) U1.L1 ; U1.A1 v1(68.5,82.5) ; v1(20.25,83.25) D27.1 ; U2.23 28.3,63.3 v1(28.6,63) 28.4,62.8 U2.22 25.8,62.8 v1(25.6,63) 25.9,63.3 U2.23
  Top w0.25: R64.1 43,32.35 ; 51.25,25.22 51.93,25.22 52.2,24.95 ; 51.25,25.22 50.4,25.22 50.45,25.17 v1(50.45,24.22) ; 51.25,25.22 51.2,25.17 v1(51.2,24.22) ; 37.5,15.5 U6.5 37.5,14.7 38.2,14.7 v1(38.25,14.75) ; 37.5,15.5 37.5,16.23 C76.1 38.25,16.03 v1(38.25,15.5) 37.5,15.5 ; U6.3 37,12.76 R60.1 ; 43,31.51 42.39,30.9 41.75,30.9 ; 40.55,31.4 39.75,31.4 ; 39.75,31.4 v1(39.75,32.25) 39.33,32.25 C80.1 39.03,31.4 39.75,31.4 ; v1(9.24,49.26) 9.25,49.25 U23.2 ; 40.5,31.45 v1(40.5,32.25) ; C9.1 17.5,61.8 U2.41 ; v1(48.95,24.22) 47.96,25.22 R65.1 48.46,25.72 U8.3 49.62,25.72 49.95,25.4 49.95,24.47 v1(49.7,24.22)
  Top w0.35: 91.6,23.7 91.2,24.1 U22.2 v1(89.8,24.1) ; v1(78,76.55) 77.99,76.54 C119.1 ; C36.1 46.4,83.45 v1(46.4,82) ; C32.1 49.18,84.85 v1(48.8,84.85) ; C26.2 73.47,78.7 v1(74.2,78.7) ; C58.1 61.55,63.08 v1(61.55,62.5) 61.88,62.5 C57.1 ; C67.1 C68.1 28.25,18.5 v1(27.75,18) 28.25,17.5 C67.1 ; C67.1 C66.1 v1(27.75,16.5) ; v1(53,16.4) 53.02,16.4 53.72,17.1 U17.2 55.1,17.1 ; 60.38,20.33 U14.9 63.18,20.33 v1(63.2,20.3) ; 60.38,20.33 59.49,21.21 59.49,19.44 ; 60.38,20.33 59.49,19.44 ; v1(24,9) 24.18,8.82 25.3,8.82 ; v1(54.5,78.5) U1.T6 ; C14.2 49.2,79.6 48.26,79.6 48.25,79.61 ; U12.2 v1(26,95.3) ; 57.7,30.2 57.7,29.76 v1(57.78,29.68) 57.98,29.48 C99.1 58.5,29.45 58.5,30.3 ; R56.2 33.55,18.7 ; R56.2 33.01,19.49 v1(33,19.5) ; R56.2 33.01,18.39 33.5,17.9 ; C64.1 30.5,15.72 C65.1 31.23,16.52 v1(31.25,16.5) ; C64.1 C63.1 ; C64.1 v1(32.25,15.2) ; C6.1 28.21,64.79 v1(28.9,64.1) ; v1(19.4,65.9) 18.71,65.9 C11.1 ; R76.2 v1(81.25,9.5) ; U5.8 30.25,24.35 30.12,24.48 C71.1 30.12,25.8 30.12,25.8 ; 77.1,79.75 78,79.75 v1(78,79.75) ; 53.72,65.22 53.72,65.25 ; R53.1 v1(9.5,54.3) ; v1(65.8,51.1) 65.79,51.09 U9.4 ; U3.12 v1(30.4,72.3) ; v1(73.3,85.8) 73.28,85.78 C43.1 ; R74.2 v1(91.25,9.5) ; C100.1 69.85,57.25 v1(69.2,57.9) ; C114.1 91.62,27.08 v1(91.65,27.05) ; 51.25,9.77 v1(51.25,9) ; C34.1 v1(50.97,88.5) ; C47.1 56.75,63.45 v1(56.1,62.8) ; C17.1 58.25,63.35 v1(57.8,62.9) ; C23.1 49.72,76.38 v1(49,77.1) 49.65,77.75 C50.1 ; U21.2 91.5,33.8 92,34.3 92.35,34.3 ; 31.38,22.88 U5.11 ; 31.38,22.88 U5.11 U5.11 29.12,22.88 28.72,22.88 27.75,21.9 ; 31.38,22.88 32.95,22.88 ; C122.2 86.3,56.37 v1(86.3,56.1) 86.07,56.33 U24.26 v1(83.8,56.33) ; 15.75,63.78 C8.1 16,64.3 v1(16,66.2) ; 73.4,19.8 73.4,19.3 74.25,18.45 C103.2 74.25,18.35 75.37,19.47 75.37,19.68 ; U14.4 62.57,26.67 v1(62.6,26.7) ; C120.2 v1(81.8,68.35) ; C120.2 v1(84.15,69.7) ; C120.2 v1(84.15,67) ; C118.1 C116.1 46.8,74.5 v1(47.5,73.8) 48.05,73.25 C16.1 ; C51.1 49.89,70.09 v1(49.89,69.4) 49.89,69.39 49.8,69.3 49,69.3 ; Q1.2 v1(7.8,97.7) ; v1(72.7,25.38) 72.7,24.98 C104.1 73.1,24.6 v1(73.9,23.8) ; 87.1,19.9 86.41,19.2 U20.14 86.41,16.9 v1(86.5,16.8) ; C106.1 v1(80.25,9.5) ; 59.49,19.44 59.49,19.35 ; v1(63,60.6) 63.4,60.6 64.05,59.95 C60.1 64.3,60.9 ; C107.1 v1(70.25,9.5) ; C7.1 15.6,59.1 v1(15.58,59.12) ; C30.1 49,81.97 v1(49,82) ; v1(29.6,80.9) U3.34 29.6,83.67 C102.1 ; v1(30.12,25.9) v1(30.12,26.6) v1(30.12,27.3) 30.12,28 C70.1 30.12,29.07 R57.2 ; C69.1 32.56,17.82 ; v1(46,69.8) 46,70.9 C45.1 ; C56.1 64.47,63.1 v1(65.3,63.1) ; C27.1 78.25,74.63 v1(78.25,73.3) ; C95.1 45.12,18.58 v1(45.1,18.6) ; U1.A11 69.4,73.4 ; 32.2,20.62 28.03,20.62 ; 32.2,20.62 31.38,20.62 U5.11 ; 32.2,20.62 32.57,20.62 ; C28.1 71.95,74 ; C28.1 71.9,73.2 ; C28.1 C55.1 71.95,75.5 C24.1 73.5,77 v1(74.25,77.75) ; C46.1 v1(52.75,63.5) ; C94.1 v1(57.4,15.8) ; C42.1 v1(55.75,88.35) ; 59.8,34 60.22,34.42 C97.1 59.3,34.9 ; R16.2 21.81,92.99 v1(21.8,93) ; v1(90.2,33.6) 90.2,34.61 R145.2 ; C111.1 92.56,32.62 v1(92.55,32.62) ; U18.2 v1(48.1,17.1) ; C113.1 v1(90.6,19.8) ; v1(78.25,80.9) 78.15,81 76.35,81 v1(76.25,80.9) ; v1(64.3,67.4) 64,67.7 U1.F16 ; v1(37.25,64.5) 37.26,64.51 R138.2 ; 58.7,60.3 59,60.3 ; R80.2 v1(61.25,9.5) ; C63.1 v1(32.25,13.6) ; C63.1 C62.1 v1(32.25,12) ; R78.2 v1(71.25,9.5) ; Q5.2 v1(6.05,40.5) ; R84.2 v1(41.25,8.8) ; Q2.2 v1(11.55,97.7) ; C52.1 49.72,71.78 49.45,72.05 48.85,72.05 v1(48.75,72.15) ; C96.1 v1(52.1,18.2) ; C112.1 91.22,29.55 v1(91.2,29.53) ; C110.1 v1(40.25,8.8) ; 78.2,74.75 v1(77,74.75) ; C44.1 77.25,79.9 v1(77.25,80.9) ; v1(77.25,73.3) 77.35,73.2 79.15,73.2 v1(79.25,73.3) ; v1(10.55,61.45) U10.2 ; v1(50.5,82) 50.47,82 C33.1 ; 50.25,9.8 v1(50.25,9) ; v1(16.5,61.5) C9.1 ; C108.1 v1(60.25,9.5) ; U19.2 v1(61.2,32.9) ; C35.1 v1(58.75,88.35) ; v1(76.55,27.65) U20.8 80.06,26.94 81.75,25.25 v1(82.25,25.25) ; v1(38.5,12.25) R60.1 ; v1(30.2,93) 30.19,92.99 R14.2 ; C53.1 v1(74.25,70.75) ; U1.T16 v1(53.25,68) ; C105.1 90.25,9.75 v1(90.5,9.5) ; v1(57.8,61.1) 58.6,60.3 ; C80.1 38.18,32.25 v1(37.75,32.25) 37.75,31.75 ; 72.15,73.75 72.18,73.75 ; C48.1 53.25,64.5 v1(52.75,64.5) ; 86.41,18.29 86.41,19.14 ; C10.1 v1(17.2,65.9) ; C29.1 v1(54,88.35) ; Q3.2 v1(6.05,39) ; C93.1 v1(56.1,19.3) ; Q6.2 v1(2.35,39) ; Q4.2 2.3,42.1 v1(3.2,42.1) ; v1(59.95,62.9) 59.95,63.53 C18.1 ; C59.1 v1(78,78) ; v1(83.4,19.94) 82.59,19.13 82.59,18.29 ; C31.1 v1(57.25,88.35) ; C117.1 v1(74.5,69.25) 73.45,69.25 U4.2 73.87,68.48 C117.1